# Altium PCB PokeyMain.PcbDoc (part 1 of 3)
Units mm, origin at the board's own origin, x right, y up, seen from the top; angles counter-clockwise.
Board outline 172.97 x 113.16 mm, 2 copper layers (Top Layer, Bottom Layer); 153 components, 194 nets, 688 pads, 309 vias.
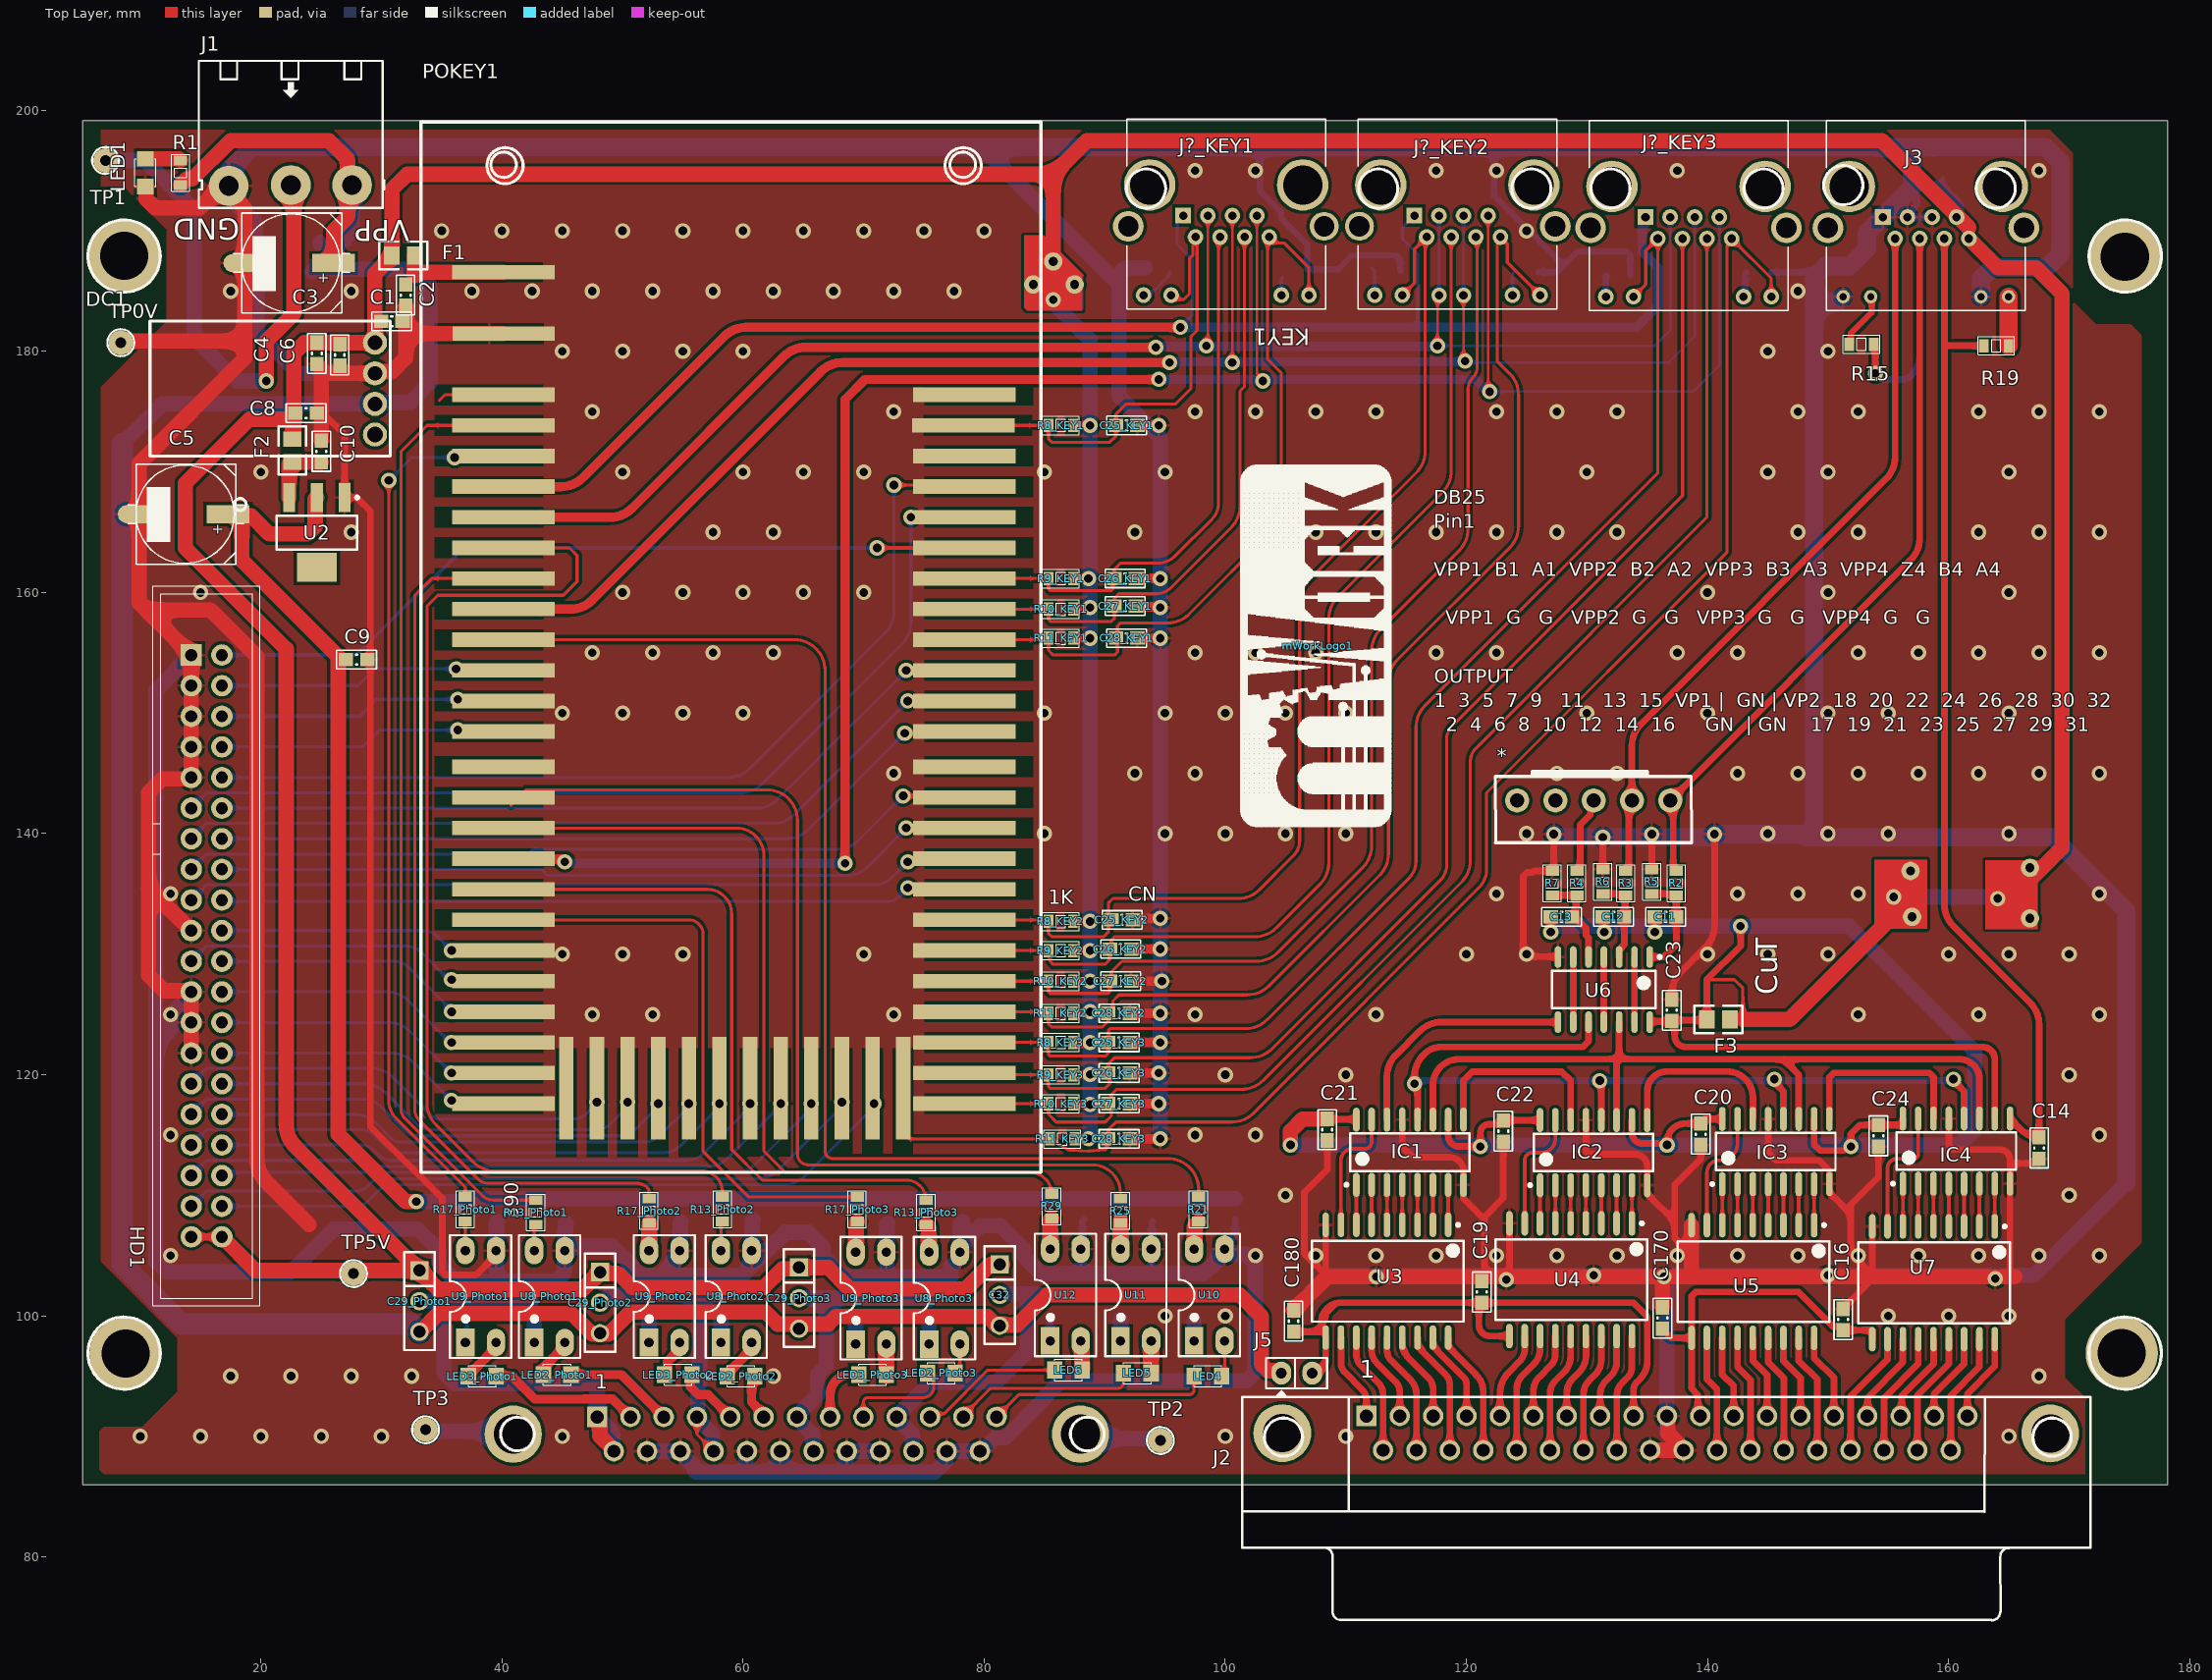
[diagram p0: Top Layer view]
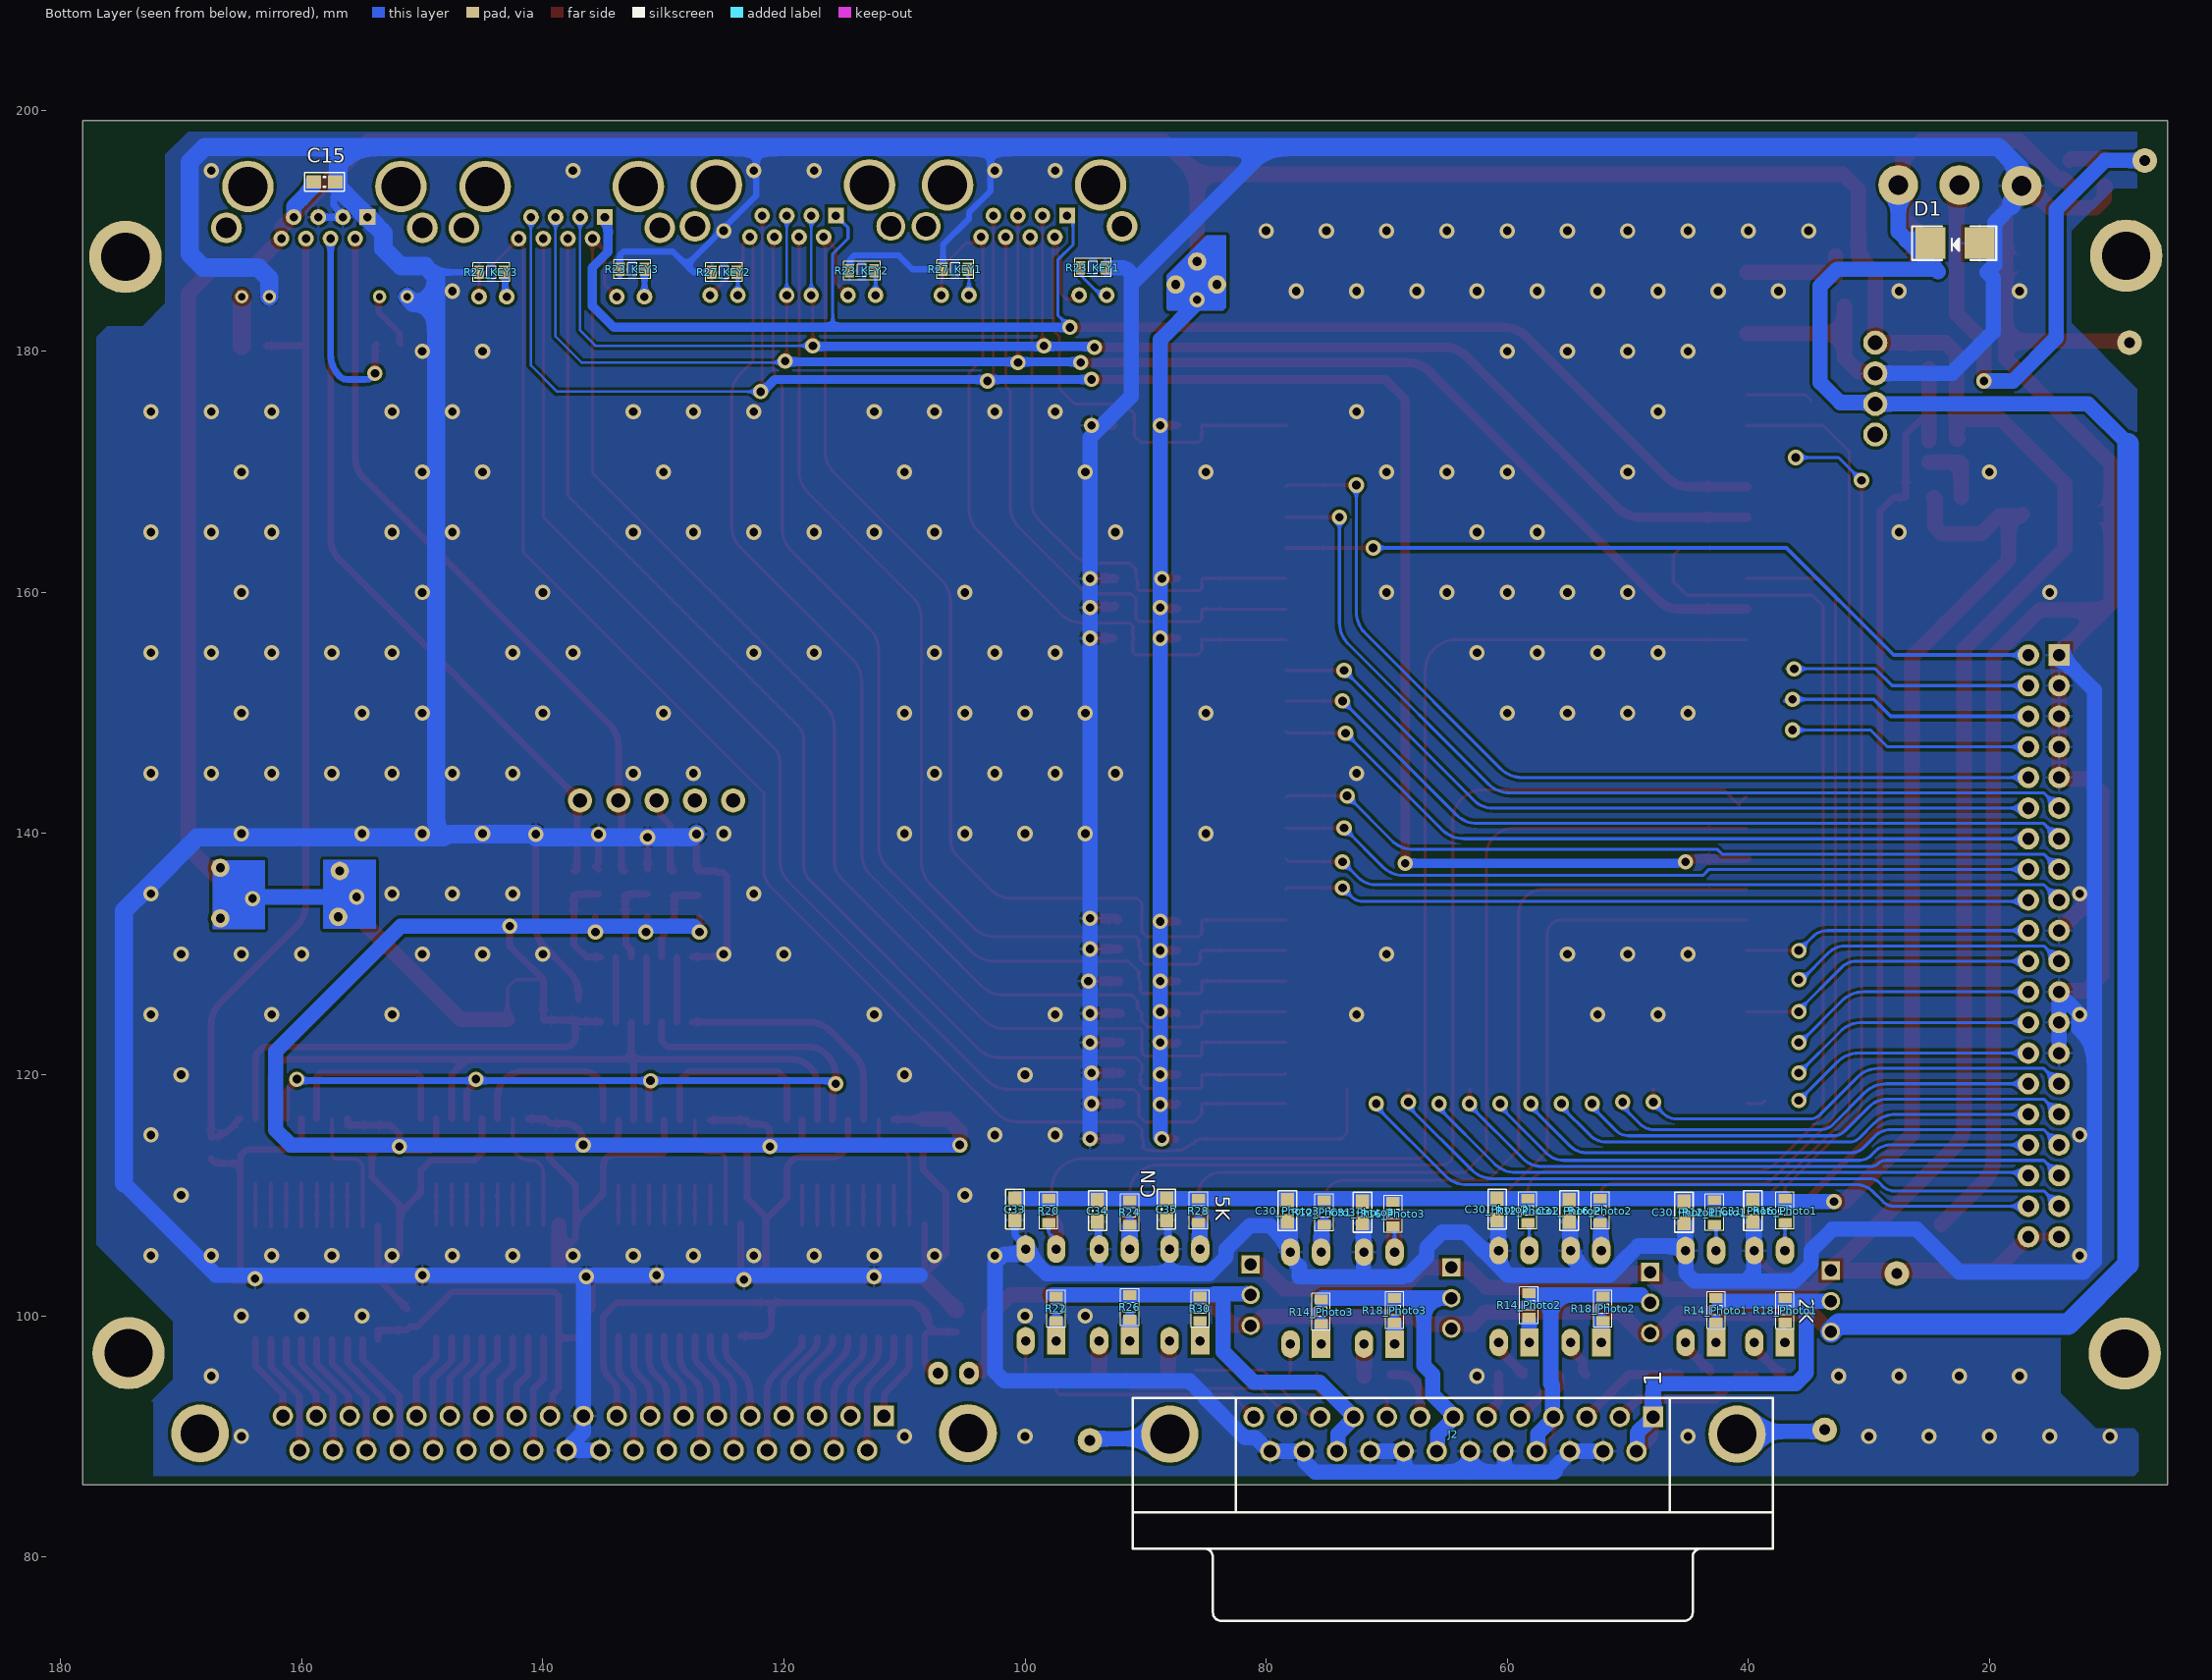
[diagram p1: Bottom Layer view, seen from below]

## Layer stack, top to bottom
Top Solder: solder mask 0.0102, Solder Resist, Dk 3.5
Top Layer: signal copper 0.0356
Dielectric 1: dielectric 0.32, FR-4, Dk 4.8
Bottom Layer: signal copper 0.0356
Bottom Solder: solder mask 0.0102, Solder Resist, Dk 3.5

## Board outline
5.207,85.979 178.181,85.979 178.181,199.136 5.207,199.136

## Design rules (kind name [scope] priority, off if disabled: settings)
Clearance PolygonBoit [InNamedPolygon('GND_L01_P000')] p1: gap=0.254 ignorepadtopadclearanceinfootprint=FALSE except(0: Arc-Hole Track-Hole SMDPad-Hole THPad-Hole Via-Hole Fill-Hole Poly-Hole Region-Hole Text-Hole)
Clearance [All] p2: gap=0.254 ignorepadtopadclearanceinfootprint=FALSE except(0: Arc-Hole Track-Hole SMDPad-Hole THPad-Hole Via-Hole Fill-Hole Poly-Hole Region-Hole Text-Hole)
PolygonConnect [All] p1: connectstyle=Relief reliefconductorwidth=0.254 reliefentries=4 polygonreliefangle="90 Angle" airgapwidth=0.254
RoomDefinition Photo [InComponentClass('Photo')] p1: confinementstyle=ConfineIn formatcopy=TRUE lockcomponents=FALSE outline 235.458,40.767 369.697,40.767 369.697,53.975 235.458,53.975
RoomDefinition Photo3 [InComponentClass('Photo3')] p2: confinementstyle=ConfineIn formatcopy=TRUE lockcomponents=FALSE outline 273.558,331.851 514.35,331.851 514.35,343.281 273.558,343.281
RoomDefinition Photo2 [InComponentClass('Photo2')] p3: confinementstyle=ConfineIn formatcopy=TRUE lockcomponents=FALSE outline 362.71,255.778 603.502,255.778 603.502,267.208 362.71,267.208
RoomDefinition Photo1 [InComponentClass('Photo1')] p4: confinementstyle=ConfineIn formatcopy=TRUE lockcomponents=FALSE outline 263.269,202.438 496.441,202.438 496.441,215.9 263.269,215.9
RoomDefinition ENC [InComponentClass('ENC')] p5: confinementstyle=ConfineIn formatcopy=TRUE lockcomponents=FALSE outline 302.26,81.788 328.803,81.788 328.803,138.176 302.26,138.176
RoomDefinition ProExtBus [InComponentClass('ProExtBus')] p6: confinementstyle=ConfineIn formatcopy=TRUE lockcomponents=FALSE outline 236.728,119.761 413.004,119.761 413.004,193.294 236.728,193.294
RoomDefinition KEY4 [InComponentClass('KEY4')] p7: confinementstyle=ConfineIn formatcopy=TRUE lockcomponents=FALSE outline 148.773,183.261 165.029,183.261 165.029,198.12 148.773,198.12
RoomDefinition KEY3 [InComponentClass('KEY3')] p8: confinementstyle=ConfineIn formatcopy=TRUE lockcomponents=FALSE outline 166.116,224.536 182.372,224.536 182.372,246.634 166.116,246.634
RoomDefinition KEY2 [InComponentClass('KEY2')] p9: confinementstyle=ConfineIn formatcopy=TRUE lockcomponents=FALSE outline 111.379,181.864 127.635,181.864 127.635,199.898 111.379,199.898
RoomDefinition KEY1 [InComponentClass('KEY1')] p10: confinementstyle=ConfineIn formatcopy=TRUE lockcomponents=FALSE outline 83.058,217.658 99.314,217.658 99.314,244.348 83.058,244.348
RoomDefinition Power [InComponentClass('Power')] p11: confinementstyle=ConfineIn formatcopy=TRUE lockcomponents=FALSE outline 309.245,128.143 438.912,128.143 438.912,155.067 309.245,155.067
RoomDefinition Main [InComponentClass('Main')] p12: confinementstyle=ConfineIn formatcopy=TRUE lockcomponents=FALSE outline 322.453,73.406 401.447,73.406 401.447,166.37 322.453,166.37
RoutingVias [All] p1: holewidth=0.711 width=1.27 viastyle="Through Hole" minholewidth=0.711 minwidth=1.27 maxholewidth=0.711 maxwidth=1.27
SolderMaskExpansion [All] p1: expansion=0.102 istentingtop=FALSE
Width [All] p1: maxlimit=2.54 minlimit=0.203 preferedwidth=1.27
30 further rules are at their usual default settings.

## Classes and differential pairs
channel class Photo: Photo1 Photo2 Photo3
component class Photo: C32 C33 C34 C35 LED4 LED5 LED6 R20 R21 R22 R24 R25 R26 R28 R29 R30 U10 U11 U12
component class Photo3: C29_Photo3 C30_Photo3 C31_Photo3 LED2_Photo3 LED3_Photo3 R12_Photo3 R13_Photo3 R14_Photo3 R16_Photo3 R17_Photo3 R18_Photo3 U8_Photo3 U9_Photo3
component class Photo2: C29_Photo2 C30_Photo2 C31_Photo2 LED2_Photo2 LED3_Photo2 R12_Photo2 R13_Photo2 R14_Photo2 R16_Photo2 R17_Photo2 R18_Photo2 U8_Photo2 U9_Photo2
component class Photo1: C29_Photo1 C30_Photo1 C31_Photo1 LED2_Photo1 LED3_Photo1 R12_Photo1 R13_Photo1 R14_Photo1 R16_Photo1 R17_Photo1 R18_Photo1 U8_Photo1 U9_Photo1
component class ENC: J2 TP2 TP3
component class ProExtBus: C11 C12 C13 C14 C15 C16 C19 C20 C21 C22 C23 C24 C170 C180 F3 IC1 IC2 IC3 IC4 J2 J5 R2 R3 R4 R5 R6 R7 U3 U4 U5 U6 U7
component class KEY4: J3 R15 R19
component class KEY3: C25_KEY3 C26_KEY3 C27_KEY3 C28_KEY3 J?_KEY3 R8_KEY3 R9_KEY3 R10_KEY3 R11_KEY3 R23_KEY3 R27_KEY3
component class KEY2: C25_KEY2 C26_KEY2 C27_KEY2 C28_KEY2 J?_KEY2 R8_KEY2 R9_KEY2 R10_KEY2 R11_KEY2 R23_KEY2 R27_KEY2
component class KEY1: C25_KEY1 C26_KEY1 C27_KEY1 C28_KEY1 J?_KEY1 R8_KEY1 R9_KEY1 R10_KEY1 R11_KEY1 R23_KEY1 R27_KEY1
channel class KEY: KEY1 KEY2 KEY3 KEY4
component class Power: C3 C4 C5 C6 C8 C9 C10 D1 DC1 F2 J1 LED1 R1 TP1 U2
component class Main: * C1 C2 F1 HD1 mWorkLogo1 POKEY1 TP0V TP5V

## Components (designator, comment, footprint, x,y, rotation, side; value= is the part's Value field where it differs from the comment)
* "Pokey_Jack" JACK5 124.206,142.748 r0 top
C1 "CN" CN-SMD-0603_big 30.861,182.499 r180 top value=33pF
C2 "CN" CN-SMD-0603_big 32.004,184.658 r90 top value=33pF
C3 "CN-ALU-SMD" CAP-ALU-SMD-F 22.479,187.325 r180 top
C4 "CN" CN-SMD-0603_big 24.638,179.832 r90 top value=33pF
C5 "CN-ALU-SMD" CAP-ALU-SMD-F 13.716,166.497 r180 top
C6 "CN" CN-SMD-0603_big 26.543,179.705 r90 top value=33pF
C8 "CN" CN-SMD-0603_big 23.749,174.879 r180 top value=33pF
C9 "CN" CN-SMD-0603_big 27.94,154.432 r180 top value=33pF
C10 "CN" CN-SMD-0603_big 25.019,171.704 r270 top value=33pF
C11 "CN" CN-SMD-0603_big 136.525,133.096 r180 top value=33pF
C12 "CN" CN-SMD-0603_big 132.207,133.096 r180 top value=33pF
C13 "CN" CN-SMD-0603_big 127.889,133.096 r180 top value=33pF
C14 "CN" CN-SMD-0603_big 167.513,113.919 r90 top value=33pF
C15 "CN" CN-SMD-0603_big 158.115,194.056 r180 bottom value=33pF
C16 "CN" CN-SMD-0603_big 151.257,99.695 r270 top value=33pF
C19 "CN" CN-SMD-0603_big 121.285,101.981 r90 top value=33pF
C20 "CN" CN-SMD-0603_big 139.446,115.062 r90 top value=33pF
C21 "CN" CN-SMD-0603_big 108.458,115.443 r90 top value=33pF
C22 "CN" CN-SMD-0603_big 123.063,115.316 r90 top value=33pF
C23 "CN" CN-SMD-0603_big 137.033,125.349 r270 top value=33pF
C24 "CN" CN-SMD-0603_big 154.178,114.935 r90 top value=33pF
C25_KEY1 "CN" CN-SMD-0603_big 91.821,173.863 r180 top value=33pF (schematic designator C25)
C25_KEY2 "CN" CN-SMD-0603_big 91.44,132.842 r180 top value=33pF (schematic designator C25)
C25_KEY3 "CN" CN-SMD-0603_big 91.186,122.682 r180 top value=33pF (schematic designator C25)
C26_KEY1 "CN" CN-SMD-0603_big 91.694,161.163 r180 top value=33pF (schematic designator C26)
C26_KEY2 "CN" CN-SMD-0603_big 91.313,130.429 r180 top value=33pF (schematic designator C26)
C26_KEY3 "CN" CN-SMD-0603_big 91.186,120.142 r180 top value=33pF (schematic designator C26)
C27_KEY1 "CN" CN-SMD-0603_big 91.694,158.877 r180 top value=33pF (schematic designator C27)
C27_KEY2 "CN" CN-SMD-0603_big 91.313,127.762 r180 top value=33pF (schematic designator C27)
C27_KEY3 "CN" CN-SMD-0603_big 91.186,117.602 r180 top value=33pF (schematic designator C27)
C28_KEY1 "CN" CN-SMD-0603_big 91.821,156.21 r180 top value=33pF (schematic designator C28)
C28_KEY2 "CN" CN-SMD-0603_big 91.186,125.095 r180 top value=33pF (schematic designator C28)
C28_KEY3 "CN" CN-SMD-0603_big 91.186,114.681 r180 top value=33pF (schematic designator C28)
C29_Photo1 "JP3" JP3-C1T 33.147,103.759 r270 top (schematic designator C29)
C29_Photo2 "JP3" JP3-C1T 48.133,103.632 r270 top (schematic designator C29)
C29_Photo3 "JP3" JP3-C1T 64.643,104.013 r270 top (schematic designator C29)
C30_Photo1 "CN" CN-SMD-0603_big 45.339,108.585 r90 bottom value=33pF (schematic designator C30)
C30_Photo2 "CN" CN-SMD-0603_big 60.833,108.839 r90 bottom value=33pF (schematic designator C30)
C30_Photo3 "CN" CN-SMD-0603_big 78.232,108.712 r90 bottom value=33pF (schematic designator C30)
C31_Photo1 "CN" CN-SMD-0603_big 39.624,108.712 r90 bottom value=33pF (schematic designator C31)
C31_Photo2 "CN" CN-SMD-0603_big 54.864,108.712 r90 bottom value=33pF (schematic designator C31)
C31_Photo3 "CN" CN-SMD-0603_big 72.009,108.585 r90 bottom value=33pF (schematic designator C31)
C32 "JP3" JP3-C1T 81.28,104.267 r270 top
C33 "CN" CN-SMD-0603_big 100.838,108.839 r90 bottom value=33pF
C34 "CN" CN-SMD-0603_big 93.98,108.712 r90 bottom value=33pF
C35 "CN" CN-SMD-0603_big 88.265,108.839 r90 bottom value=33pF
C170 "CN" CN-SMD-0603_big 136.271,99.822 r270 top value=33pF
C180 "CN" CN-SMD-0603_big 105.664,99.568 r90 top value=33pF
D1 "Diode" DIO-SMD-106-HayDung 22.86,188.976 r180 bottom value=1N5007
DC1 "DC_V2" DC_V2 30.734,171.323 r180 top
F1 "600R@100Mhz" Capacitor_805 31.811,187.96 r180 top
F2 "600R@100Mhz" Capacitor_805 22.606,171.77 r90 top
F3 "600R@100Mhz" Capacitor_805 140.909,124.587 r180 top
HD1 "IDC20X2" IDC40 14.224,154.813 r270 top value="Header 5x2"
IC1 "74HC595" SO16 115.316,113.571 r90 top
IC2 "74HC595" SO16 130.556,113.538 r90 top
IC3 "74HC595" SO16 145.669,113.632 r90 top
IC4 "74HC595" SO16 160.655,113.665 r90 top
J1 "KF3" KF3-5.08T 27.559,193.802 r180 top
J2 "A32125-ND" DB25 64.461,80.693 r0 bottom
J2 "DB37 Female" DB37 138.132,88.852 r270 top
J3 "615008142121" RJ45_8P8C#1 158.117,191.262 r180 top
J5 "Jumper 2" JP2 104.648,95.25 r0 top value="JP 2"
J?_KEY1 "615008142121" RJ45_8P8C#2 100.079,191.388 r180 top (schematic designator J?)
J?_KEY2 "615008142121" RJ45_8P8C#3 119.255,191.389 r180 top (schematic designator J?)
J?_KEY3 "615008142121" RJ45_8P8C#4 138.43,191.262 r180 top (schematic designator J?)
LED1 "LED" LED-0805-Red 10.414,195.961 r270 top value="LED 3 - 5 ly 2 Colour"
LED2_Photo1 "LED" LED-0805-Green 43.434,95.123 r0 top value="LED 3 - 5 ly 2 Colour" (schematic designator LED2)
LED2_Photo2 "LED" LED-0805-Green 58.674,94.996 r0 top value="LED 3 - 5 ly 2 Colour" (schematic designator LED2)
LED2_Photo3 "LED" LED-0805-Green 77.597,95.25 r180 top value="LED 3 - 5 ly 2 Colour" (schematic designator LED2)
LED3_Photo1 "LED" LED-0805-Green 37.211,94.996 r0 top value="LED 3 - 5 ly 2 Colour" (schematic designator LED3)
LED3_Photo2 "LED" LED-0805-Green 53.467,95.123 r0 top value="LED 3 - 5 ly 2 Colour" (schematic designator LED3)
LED3_Photo3 "LED" LED-0805-Green 71.882,95.123 r180 top value="LED 3 - 5 ly 2 Colour" (schematic designator LED3)
LED4 "LED" LED-0805-Green 99.695,94.996 r180 top value="LED 3 - 5 ly 2 Colour"
LED5 "LED" LED-0805-Green 93.853,95.25 r180 top value="LED 3 - 5 ly 2 Colour"
LED6 "LED" LED-0805-Green 88.138,95.504 r180 top value="LED 3 - 5 ly 2 Colour"
mWorkLogo1 "LogoMwork" LogoMwork30*12 107.696,155.58 r90 top
POKEY1 "Pokey" POKEY 40.262,117.602 r0 top
R1 "R" RES-SMD-0603_BIG 13.335,194.818 r90 top
R2 "1K" RES-SMD-0603_BIG 137.414,135.89 r90 top
R3 "1K" RES-SMD-0603_BIG 133.223,135.89 r90 top
R4 "1K" RES-SMD-0603_BIG 129.159,135.89 r90 top
R5 "10K" RES-SMD-0603_BIG 135.382,136.017 r90 top
R6 "10K" RES-SMD-0603_BIG 131.318,136.017 r90 top
R7 "10K" RES-SMD-0603_BIG 127.127,135.89 r90 top
R8_KEY1 "1K" RES-SMD-0603_BIG 86.36,173.863 r180 top (schematic designator R8)
R8_KEY2 "1K" RES-SMD-0603_BIG 86.346,132.715 r180 top (schematic designator R8)
R8_KEY3 "1K" RES-SMD-0603_BIG 86.346,122.682 r180 top (schematic designator R8)
R9_KEY1 "1K" RES-SMD-0603_BIG 86.36,161.163 r180 top (schematic designator R9)
R9_KEY2 "1K" RES-SMD-0603_BIG 86.346,130.302 r180 top (schematic designator R9)